# Altium PCB wtc_spi.PcbDoc (part 2 of 2)
Units mm, origin at the board's own origin, x right, y up, seen from the top; angles counter-clockwise.
Board outline 131 x 99 mm, 2 copper layers (Top Layer, Bottom Layer), stack 1.571 mm thick; 164 components, 102 nets, 483 pads, 227 vias.
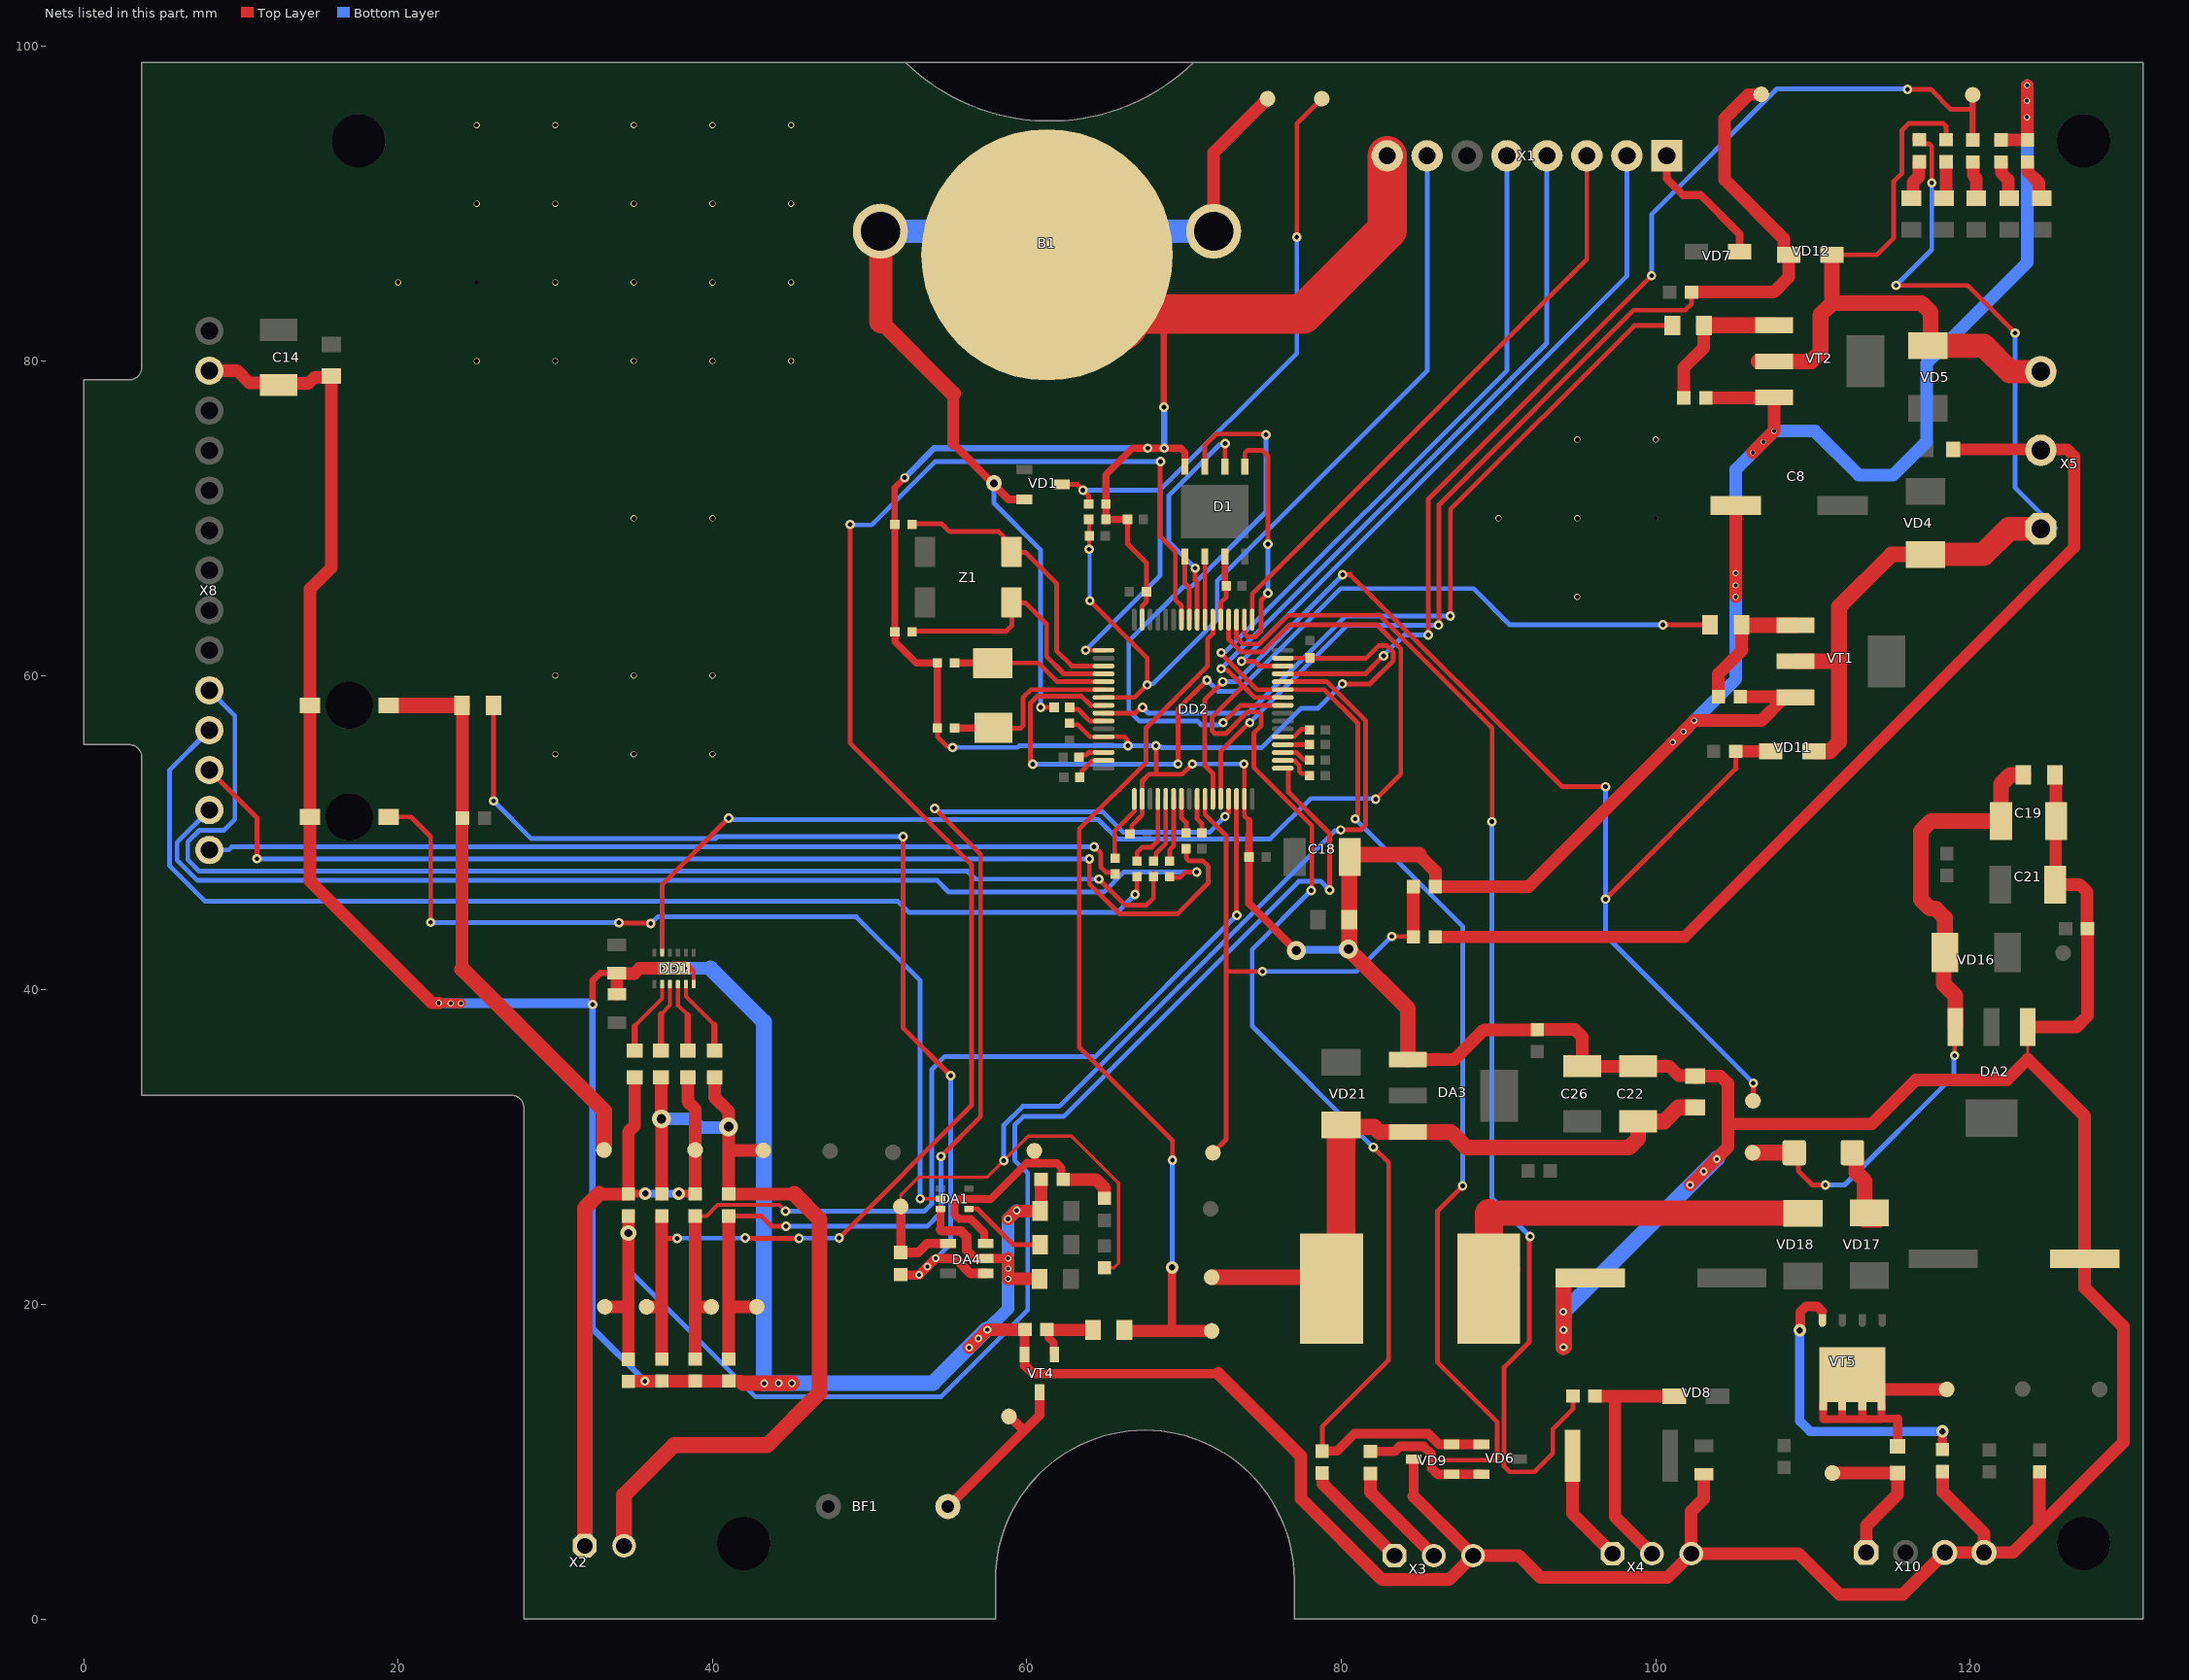
[diagram p2: the nets of this part, all layers, seen from the top]

## Via types
v1: diameter 0.6, hole 0.3, Top Layer to Bottom Layer, 123 vias
v2: diameter 0.4, hole 0.3, Top Layer to Bottom Layer, 33 vias
v3: diameter 0.4, hole 0.25, Top Layer to Bottom Layer, 15 vias
v4: diameter 0.5, hole 0.25, Top Layer to Bottom Layer, 13 vias
v5: diameter 1.2, hole 0.6, Top Layer to Bottom Layer, 12 vias
v6: diameter 0.35, hole 0.25, Top Layer to Bottom Layer, 7 vias
v7: diameter 1.5, hole 0.7, Top Layer to Bottom Layer, 6 vias
v8: diameter 0.5, hole 0.3, Top Layer to Bottom Layer, 5 vias
v9: diameter 0.8, hole 0.4, Top Layer to Bottom Layer, 5 vias
v10: diameter 1, hole 0.5, Top Layer to Bottom Layer, 3 vias
v11: diameter 0.3, hole 0.2, Top Layer to Bottom Layer, 3 vias
v12: diameter 0.3, hole 0.3, Top Layer to Bottom Layer, 2 vias

## Nets (pads, with @x,y where several pads share a name; then routed paths per layer and width w, separated by ;. In a path a pad name is that pad's centre, name@x,y a point inside that pad or via, vN(x,y) a via of type N, cw(c..) or ccw(c..) an arc to the next point about the centre after c; other vN are vias at no path point) (continued)
DRV_A_1_CNTR: DD2.29 R7.1 R8.2 TP2.0 | length 73.7
  Top Layer w0.2: v1(72.596,51.029) 72.825,51.257
  Top Layer w0.3: R7.1@41.025,25.625 43.075,25.625 43.725,24.975 v1(44.675,24.975) ; v1(54.125,51.55) 57.05,48.625 57.05,31.929 v1(54.534,29.413) ; 72.825,51.257 DD2.29@72.825,52.15
  Top Layer w0.8: R8.2@41.025,16.525 41.025,19.85 ; R7.1@41.025,25.625 41.025,19.85 ; TP2.0@42.81,19.85 41.025,19.85
  Bottom Layer w0.2: v1(44.675,24.975) v1@44.682,24.968
  Bottom Layer w0.3: v1@44.682,24.968 53.645,24.968 54.534,25.857 v1(54.534,29.413) ; v1(54.125,51.55) 54.206,51.55 54.431,51.325 64.825,51.325 66.125,50.025 71.593,50.025 v1(72.596,51.029)
DRV_A_2_CNTR: DD2.30 R9.1 R10.2 TP3.0 | length 65.2
  Top Layer w0.25: R9.1@38.9,25.625 39.625,25.625 40.326,26.326 44.249,26.326 v1(44.65,25.925)
  Top Layer w0.3: DD2.30@73.325,52.15 73.325,44.775 v1(73.35,44.75)
  Top Layer w0.8: R10.2@38.9,16.525 38.9,19.85 ; R9.1@38.9,25.625 38.9,19.85 ; TP3.0@39.93,19.85 38.9,19.85
  Bottom Layer w0.3: v1(44.65,25.925) 53.459,25.925 53.95,26.416 53.95,34.95 54.762,35.763 64.363,35.763 v1(73.35,44.75)
DRV_B_1_CNTR: DD2.33 R11.1 R12.2 TP8.0 | length 91.9
  Top Layer w0.2: DD2.33@76.275,54.1 DD2.33@76.632,54.1
  Top Layer w0.3: DD2.33@76.632,54.1 76.632,52.568 79.25,49.95 v1(79.25,46.35)
  Top Layer w0.8: TP8.0@33.154,19.85 34.65,19.85 ; R12.2@34.65,16.5 34.65,19.85 ; R11.1@34.65,25.625 v10(34.65,24.532) 34.65,19.85
  Bottom Layer w0.3: v10(34.65,24.532) 34.65,22.225 42.75,14.125 54.525,14.125 60.046,19.646 60.046,28.346 59.225,29.167 59.225,31.4 59.775,31.95 62.325,31.95 77.275,46.9 78.7,46.9 v1(79.25,46.35)
DRV_B_2_CNTR: DD2.58 R13.1 R14.2 TP9.0 | length 105.5
  Top Layer w0.3: 36.775,24.25 36.825,24.2 v1(37.75,24.2) ; v1(42.075,24.225) 42.1,24.2 v1(45.5,24.2) ; v1(48.05,24.225) 56.475,32.65 56.475,47.975 48.75,55.7 v1(48.75,69.6) ; v1(68.5,73.6) 68.475,73.575 68.475,68.825 69.44,67.86 69.44,64.825 69.825,64.44 DD2.58@69.825,63.55
  Top Layer w0.8: TP9.0@35.807,19.85 36.775,19.85 ; R14.2@36.775,16.525 36.775,19.85 ; R13.1@36.775,25.625 36.775,24.25 36.775,19.85
  Bottom Layer w0.2: v1(48.75,69.6) v1@48.775,69.575
  Bottom Layer w0.3: v1(37.75,24.2) 37.763,24.213 42.063,24.213 v1(42.075,24.225) ; v1(45.5,24.2) 45.513,24.213 48.038,24.213 v1(48.05,24.225) ; v1@48.775,69.575 50.125,69.575 54.15,73.6 v1(68.5,73.6)
DRV_MODE: DD1.11 DD2.52 | length 77.2
  Top Layer w0.3: DD1.11@36.8,42.375 36.8,46.7 v1(41.025,50.925) ; DD2.52@72.825,63.55 72.825,62.298 73.623,61.5 74.975,61.5 76.7,63.225 82.25,63.225 83.775,61.7 83.775,53.725 v1(82.175,52.125)
  Bottom Layer w0.3: v1(41.025,50.925) 41.082,50.868 41.295,50.868 41.327,50.835 64.515,50.835 65.75,49.6 75.475,49.6 78.05,52.175 82.125,52.175 v1(82.175,52.125)
GND: B1.2 C1.1 C2.1 C3.2 C4.1 C5.2 C6.1 C7.1 C8.2 C9.2 C10.1 C11.1 C12.1 C13.1 C14.2 C15.1 C16.1 C17.1 C18.2 C19.2 C20.1 C21.2 C22.2 C23.2 C24.1 C25.2 C26.2 C27.1 C28.1 C29.1 D1.4 DA1.3 DA2.1 DA3.1 DA4.2 DD1.6 DD1.13 DD2.12 DD2.18 DD2.31 DD2.47 DD2.63 R8.1 R10.1 R12.1 R14.1 R16.1 R26.1 R32.1 R33.1 R37.1 R42.1 R43.1 R53.1 R60.1 R61.1 VD9.3 VD10.2 VD14.2 VD15.2 VT1.3 VT2.3 VT3.2 VT4.3 X1.8 X3.3 X4.3 X8.13 X10.3 X10.4 | length 722.4
  Top Layer w0.2: R12.1@34.65,15.1 34.675,15.125 v1(35.7,15.125) ; DA3.1@84.225,35.575 DA3.1@84.607,35.575 ; VT1.3@108.175,58.65 108.175,58.6 VT1.3@108.334,58.6 ; 123.65,35.6 DA2.1@123.65,37.65 ; C20.1@125.375,53.67 C20.1@125.375,53.675
  Top Layer w0.25: v11(38.304,41.375) 38.654,41.375 38.8,41.229 DD1.6@38.8,40.375 ; DD2.47@76.275,61.1 DD2.47@76.285,61.11 ; C3.2@77.925,61.11 C3.2@78,61.125
  Top Layer w0.3: C27.1@54.3,56.65 54.324,56.626 54.324,56.076 54.918,55.482 55.218,55.482 v1(55.275,55.425) ; C9.2@62.7,56.975 62.806,56.869 63.231,56.869 64,56.1 DD2.12@64.875,56.1 66.188,56.1 66.368,55.92 66.368,55.582 v1(66.425,55.525) ; R33.1@66.4,69.925 66.4,68.35 67.6,67.15 C15.1@67.6,65.325 67.6,64.7 67.325,64.425 DD2.63@67.325,63.55 ; C10.1@66.483,49.983 66.564,49.983 66.656,50.075 66.656,50.456 67.325,51.125 DD2.18@67.325,52.15 67.325,53.275 67.775,53.725 68.218,53.725 ; v1(68.2,55.525) 68.218,55.507 68.218,53.725 ; v1(70.525,54.375) 69.875,53.725 68.218,53.725 ; v1(73.8,54.375) 73.825,54.35 DD2.31@73.825,52.15 73.825,51.075 74.125,50.775 ; DD2.47@76.285,61.11 C3.2@77.925,61.11 ; C3.2@77.925,61.1 81.575,61.1 82.375,61.9 82.875,61.9 83.3,61.475 83.3,60.95 81.811,59.461 v1(80.061,59.461)
  Top Layer w0.4: v1(32.375,39.075) 32.375,40.6 32.85,41.075 C1.1@33.9,41.075 ; C5.2@51.587,69.613 51.587,71.937 v1(52.225,72.575) ; B1.2@61.275,86.75 61.65,86.75 64.525,86.75 68.3,82.975 68.707,82.568 v1(68.707,77.064) ; 74.125,49.875 74.125,50.775
  Top Layer w0.45: C5.2@51.6,69.6 C6.1@51.6,62.775 51.615,62.76 51.615,62.135 52.95,60.8 C28.1@54.3,60.8 C27.1@54.3,56.65 ; C4.1@65.025,69.925 C7.1@65.025,70.9 65.025,72.775 66.7,74.45 v1(67.684,74.45) v1(68.725,74.45) 69.781,74.45 70.045,74.186 D1.4@70.045,73.285 ; C4.1@65.05,69.839 65.136,69.925 R33.1@66.4,69.925
  Top Layer w0.5: 54.5,24.75 DA1.3@54.5,26.075 ; 74.125,49.875 74.125,45.5 v5(77.125,42.5)
  Top Layer w0.6: v3(22.594,39.169) 23.331,39.169 v3(23.35,39.15) v3(24,39.15) ; 54.5,24.75 54.575,24.675 55.8,24.675 56.175,24.3 56.175,23.425 56.675,22.925 DA4.2@57.375,22.925 v3(58.8,22.925) ; R53.1@59.85,18.388 VT4.3@59.85,16.825 59.85,16.125 60.375,15.6 72.175,15.6 ; C16.1@60.8,21.625 60.8,21.75 C16.1@61,21.95 ; 84.6,7.8 VD9.3@84.6,10.15
  Top Layer w0.8: X8.13@8,79.38 9.77,79.38 10.539,78.611 12.214,78.611 C14.2@12.4,78.425 ; C14.2@12.4,78.475 12.499,78.574 14.299,78.574 14.675,78.95 C17.1@15.75,78.95 ; VT3.2@14.4,58.075 VD10.2@14.4,51 14.4,46.925 22.156,39.169 v3(22.594,39.169) ; VT3.2@14.4,58.1 14.4,65.5 15.75,66.85 C17.1@15.75,78.95 ; C17.1@15.75,79.05 C17.1@15.75,78.95 ; C17.1@15.95,79.025 15.875,78.95 C17.1@15.75,78.95 ; C2.1@33.925,39.725 C1.1@33.925,41.05 ; C1.1@33.925,41.075 34.334,41.075 34.359,41.05 35.025,41.05 35.35,41.375 v11(36.8,41.375) v11(37.55,41.375) ; R12.1@34.675,15.125 R14.1@36.775,15.125 R10.1@38.9,15.125 R8.1@41.025,15.125 41.843,15.125 41.952,15.016 ; DD1.13@37.55,41.4 38.279,41.4 v11(38.304,41.375) ; v4(56.333,17.25) v4(56.908,17.825) v4(57.483,18.4) 59.85,18.4 R53.1@59.85,18.388 ; v3(58.8,22.925) v3(58.8,22.275) v3(58.8,21.625) C16.1@60.8,21.625 ; v8(58.8,25.425) 59.314,25.939 60.725,25.939 60.736,25.95 C12.1@60.825,25.95 60.9,26.025 R26.1@60.9,27.95 ; 72.175,15.6 77.425,10.35 77.425,7.65 82.575,2.5 86.85,2.5 X3.3@88.375,4.025 ; 84.6,7.8 X3.3@88.375,4.025 ; DA3.1@84.607,35.575 87.175,35.575 89.067,37.467 R61.1@92.45,37.467 ; 84.925,48.6 85.975,47.55 R16.1@85.975,46.575 91.9,46.575 v3(101.075,55.75) v3(101.75,56.425) 101.75,56.45 v3(102.425,57.125) 106.7,57.125 108.075,58.5 108.234,58.5 108.334,58.6 VT1.3@108.875,58.6 ; R61.1@92.45,37.475 94.856,37.475 95.325,37.006 C26.2@95.325,35.15 C22.2@98.875,35.15 100.85,35.15 101.45,34.55 102.4,34.55 102.463,34.488 C24.1@102.525,34.425 ; v4(102.175,27.6) 104.575,30 104.575,31.475 ; C24.1@102.5,34.525 104.106,34.525 104.575,34.056 104.575,31.475 ; C11.1@103.05,9.2 103.05,7.65 102.25,6.85 X4.3@102.25,4.15 ; R43.1@103.175,77.65 103.188,77.662 107.55,77.662 107.513,77.625 v6(107.513,75.538) v6(106.831,74.856) v6(106.15,74.175) v6@106.15,74.15 ; v3(105.075,65) v3(105.075,65.725) v3(105.075,66.5) C8.2@105.075,70.8 ; R42.1@105.375,58.65 VT1.3@108.175,58.65 ; R37.1@118.225,9.375 118.25,9.35 118.25,8.075 120.873,5.452 120.873,4.227 X10.4@120.875,4.225 ; VD14.2@121.925,94.05 VD14.2@121.95,94.05 VD15.2@123.625,94.05 123.612,94.062 v3(123.612,97.525) ; DA2.1@123.65,37.65 126.75,37.65 127.45,38.35 R60.1@127.45,43.9 127.425,43.925 127.425,46.231 126.956,46.7 C21.2@125.4,46.7 125.425,46.725 125.425,50.725 C19.2@125.45,50.75 125.45,53.6 C20.1@125.375,53.675 ; R32.1@124.4,9.35 124.4,5.9 ; X3.3@88.375,4.025 91.275,4.025 92.675,2.625 100.725,2.625 X4.3@102.25,4.15 ; X4.3@102.25,4.15 109.075,4.15 111.675,1.55 115.7,1.55 X10.3@118.375,4.225 X10.4@120.875,4.225 ; 104.575,31.475 113.725,31.475 116.525,34.275 122.325,34.275 123.65,35.6 127.275,31.975 C25.2@127.275,22.9 127.275,21.05 129.725,18.6 129.725,11.225 124.4,5.9 ; X10.4@120.875,4.225 122.725,4.225 124.4,5.9
  Top Layer w1: 41.974,14.994 v8@43.269,14.994 ; v8@43.3,15 v8(44.2,15) v8(45.05,15) ; C29.1@80.5,44.45 C18.2@80.5,48.9 ; C29.1@80.5,44.475 80.5,42.704 80.45,42.654 v5(80.45,42.6) 84.225,38.825 DA3.1@84.225,35.575 ; C18.2@80.525,48.45 80.675,48.6 84.925,48.6 ; v4(94.125,17.275) v4(94.125,18.375) ; v4(94.125,18.375) 94.125,19.525 94.125,21.575 94.225,21.675 C23.2@95.825,21.675
  Top Layer w2.5: B1.2@65.425,82.975 68.3,82.975 77.55,82.975 82.91,88.335 X1.8@82.91,93.05
  Top Layer w5: B1.2@61.65,86.75 B1.2@65.425,82.975
  Bottom Layer w0.2: v1(68.707,77.064) v1@68.716,77.055 ; v1@68.716,74.459 v1(68.725,74.45)
  Bottom Layer w0.3: v1(55.275,55.425) 59.4,55.425 59.5,55.525 v1(66.425,55.525) v1(68.2,55.525) 68.257,55.468 68.52,55.468 68.587,55.4 74.907,55.4 77.408,57.901 78.5,57.901 v1(80.061,59.461) ; v1(70.525,54.375) v1(73.8,54.375)
  Bottom Layer w0.4: v1(32.375,39.075) 32.375,18.45 v1(35.7,15.125) ; v1(52.225,72.575) 54.1,74.45 v1(67.684,74.45) ; v1@68.716,74.459 v1@68.716,77.055
  Bottom Layer w0.5: v5(77.125,42.5) 77.175,42.55 80.4,42.55 v5(80.45,42.6)
  Bottom Layer w0.6: v3(22.594,39.169) 22.613,39.15 v3(24,39.15) 32.3,39.15 v1(32.375,39.075)
  Bottom Layer w0.8: v11(38.304,41.375) 39.875,41.375 ; v4(56.908,17.825) v4(57.483,18.4) 58.8,19.717 v3(58.8,21.625) v3(58.8,22.925) v8(58.8,25.425) v8(59.352,25.977) ; v3(101.075,55.75) v3(101.75,56.425) 102.425,57.1 v3(102.425,57.125) ; v3@102.437,57.113 105.075,59.75 v3(105.075,65.725) v3(105.075,66.5) 105.075,73.1 v6(107.513,75.538) 110.106,75.538 112.894,72.75 115.1,72.75 117.228,74.878 117.228,79.878 123.612,86.262 v3(123.612,97.525)
  Bottom Layer w1: 39.875,41.375 43.275,37.975 v8@43.275,15 ; v8(43.275,14.975) v8@43.275,15 ; v4@57.456,18.427 54.029,15 v8(45.05,15) v8(44.2,15) v8@43.275,15 ; v4(94.125,17.275) v4(94.125,18.375) 94.125,19.525 v4@103.888,29.287
  other v2: 30,55 35,55 40,55 30,60 35,60 40,60 95,65 35,70 40,70 90,70 95,70 95,75 100,75 25,80 30,80 35,80 40,80 45,80 20,85 30,85 35,85 40,85 45,85 25,90 30,90 35,90 40,90 45,90 25,95 30,95 35,95 40,95 45,95
  other v3: 123.6,95.5 123.6,96.55
  other v4: 94.1,19.525 103.05,28.45 103.875,29.25
  other v12: 100,70 25,85
MEM_RST: D1.7 DD2.53 R62.1 | length 4.2
  Top Layer w0.3: DD2.53@72.325,63.55 72.325,64.625 72.675,64.975 R62.1@72.675,65.7
  Top Layer w0.4: D1.7@72.585,67.565 72.585,65.79 R62.1@72.675,65.7
METER_INP: DD2.51 R46.1 | length 77.9
  Top Layer w0.2: v1(89.575,50.7) v1@89.586,50.711 ; v1@91.95,24.275 v1(92,24.325)
  Top Layer w0.3: DD2.51@73.325,63.55 73.325,62.4 73.725,62 74.775,62 76.6,63.825 82.425,63.825 89.586,56.664 v1@89.586,50.711 ; v1@91.95,24.275 91.95,17.604 90.35,16.004 90.35,9.7 90.7,9.35 92.275,9.35 93.45,10.525 93.45,12.075 94.725,13.35 R46.1@94.725,14.175
  Bottom Layer w0.3: v1(89.575,50.7) 89.575,26.75 v1(92,24.325)
NetBF1_2: BF1.2 TP13.0 VT4.2 | length 11
  Top Layer w0.6: BF1.2@55,7.15 60.8,12.95 VT4.2@60.8,14.425 ; TP13.0@58.85,12.875 58.925,12.875 59.825,11.975
NetC5_1: C5.1 DD2.3 Z1.1 | length 18.7
  Top Layer w0.25: C5.1@52.7,69.6 C5.1@52.7,69.65 ; 58.5,68.85 58.5,68.375 Z1.1@59.025,67.85
  Top Layer w0.3: C5.1@52.7,69.65 54.575,69.65 55.075,69.15 58.2,69.15 58.5,68.85 ; Z1.1@59.04,67.835 59.904,67.835 61.875,65.863 61.875,61.575 62.85,60.6 DD2.3@64.875,60.6
NetC6_2: C6.2 DD2.4 Z1.2 | length 16.9
  Top Layer w0.25: C6.2@52.7,62.775 C6.2@52.7,62.825 ; Z1.2@59.025,64.65 Z1.2@59.054,64.621
  Top Layer w0.3: C6.2@52.7,62.825 58.7,62.825 59.054,63.179 59.054,64.621 59.904,64.621 61.25,63.275 61.25,61.2 62.35,60.1 DD2.4@64.875,60.1
NetC7_2: C7.2 DD2.1@64.875,61.6 TP1.0 VD1.2 | length 49.9
  Top Layer w0.3: VD1.2@62.225,72.15 63.2,72.15 63.925,71.425 C7.2@63.925,70.9 ; v1(63.729,61.6) DD2.1@64.875,61.6 ; v1(77.165,87.884) 77.165,95.09 TP1.0@78.75,96.675
  Bottom Layer w0.3: v1(63.562,71.788) 68.463,71.788 ; v1(63.729,61.6) 68.463,66.334 68.463,71.788 ; v1(77.165,87.884) 77.165,80.49 68.463,71.788
NetC19_1: C19.1 C20.2 DA2.2 L1.1 TP24.0 VD16.2 | length 43.2
  Top Layer w0.2: L1.1@108.8,29.65 L1.1@109.063,29.387
  Top Layer w0.3: L1.1@109.063,29.387 109.063,28.487 109.95,27.6 v1(110.775,27.6) ; v1(119,35.825) 119,37.6 DA2.2@119.05,37.65
  Top Layer w1: TP24.0@106.15,29.65 L1.1@108.8,29.65 ; DA2.2@119.05,37.65 119.05,39.575 119.025,39.6 119.025,39.65 118.3,40.375 118.3,42.3 VD16.2@118.375,42.375 118.375,44.589 117.789,45.175 117.436,45.175 116.85,45.761 116.85,50.1 117.5,50.75 C19.1@121.95,50.75 121.95,53.089 122.536,53.675 C20.2@123.375,53.675
  Bottom Layer w0.3: v1(110.775,27.6) 112,27.6 118.943,34.543 118.943,35.768 v1(119,35.825)
NetC22_1: C22.1 C24.2 DA3.2 L2.1 TP26.0 VD21.2 | length 43.4
  Top Layer w0.5: C22.1@98.875,31.65 C22.1@98.893,31.632
  Top Layer w1: TP26.0@71.75,21.725 78.65,21.725 L2.1@79.375,21 ; VD21.2@79.975,31.4 80.086,31.289 82.086,31.289 82.4,30.975 DA3.2@84.225,30.975 86.95,30.975 87.95,29.975 98.289,29.975 98.875,30.561 C22.1@98.875,31.65 ; C22.1@98.893,31.632 100.532,31.632 101.425,32.525 C24.2@102.5,32.525
  Top Layer w1.8: L2.1@79.375,21 79.975,21.6 VD21.2@79.975,31.4
NetC27_2: C27.2 DD2.6 Z2.1 | length 11.5
  Top Layer w0.25: Z2.1@57.875,56.675 Z2.1@57.904,56.675
  Top Layer w0.3: Z2.1@58.329,56.65 59.604,56.65 59.75,56.796 59.75,58.6 60.25,59.1 DD2.6@64.875,59.1
  Top Layer w0.45: C27.2@55.4,56.65 57.875,56.65 Z2.1@58.3,56.65
NetC28_2: C28.2 DD2.5 Z2.3 | length 10
  Top Layer w0.3: Z2.3@58.2,60.8 60.725,60.8 61.925,59.6 DD2.5@64.875,59.6
  Top Layer w0.45: C28.2@55.4,60.8 56.844,60.8 Z2.3@58.2,60.8
NetD1_1: D1.1@73.855,73.285 DD2.50 | length 16
  Top Layer w0.3: DD2.50@73.825,63.55 73.825,62.675 74.05,62.45 74.5,62.45 74.9,62.85 74.9,64.8 v1(75.325,65.225) ; D1.1@73.855,73.285 73.855,74.149 74.031,74.325 74.95,74.325 75.325,73.95 v1(75.325,68.35)
  Bottom Layer w0.3: v1(75.325,65.225) v1(75.325,68.35)
NetD1_2: D1.2 DD2.56 | length 15.1
  Top Layer w0.3: v1(70.7,66.825) 70.7,66.05 70.825,65.925 DD2.56@70.825,63.55 ; D1.2@72.585,73.285 72.592,73.292 72.592,74.742 v1(72.6,74.75)
  Bottom Layer w0.3: v1(70.7,66.825) 69.025,68.5 69.025,71.45 70.646,73.071 72.268,74.693 72.543,74.693 v1(72.6,74.75)
NetD1_3: D1.3 DD2.41 | length 37.7
  Top Layer w0.3: D1.3@71.315,73.285 71.315,74.64 72.025,75.35 75.15,75.35 v1(75.2,75.3) ; v1(72.475,57) 73.575,58.1 DD2.41@76.275,58.1
  Bottom Layer w0.3: v1(72.475,57) 72.394,57 72.251,56.857 71.093,56.857 70.85,57.1 67.15,57.1 66.475,57.775 66.475,62.175 69.95,65.65 70.45,65.65 75.2,70.4 v1(75.2,75.3)
NetD1_5: D1.5 DD2.57 | length 4.2
  Top Layer w0.25: D1.5@70.045,67.565 D1.5@70.045,67.6
  Top Layer w0.3: D1.5@70.045,67.565 70.045,65.855 70.325,65.575 DD2.57@70.325,63.55
NetD1_6: D1.6 DD2.55 | length 4.1
  Top Layer w0.3: DD2.55@71.325,63.55 D1.6@71.325,67.625
NetDA1_2: DA1.2 VD10.1 | length 56.8
  Top Layer w0.2: v1(53.213,26.725) DA1.2@54.5,26.725
  Top Layer w0.3: VD10.1@19.4,51 20.825,51 22.075,49.75 v1(22.075,44.3) ; v1(34.05,44.275) 34.075,44.25 36.05,44.25 v1(36.075,44.225)
  Bottom Layer w0.3: v1(22.075,44.3) 22.087,44.288 34.037,44.288 v1(34.05,44.275) ; v1(36.075,44.225) 36.5,44.65 49.15,44.65 53.213,40.587 v1(53.213,26.725)
NetDA1_4: DA1.4 R49.1 | length 5.5
  Top Layer w0.3: DA1.4@56.3,26.075 56.85,26.075 59.125,23.8 R49.1@60.825,23.8
NetDA4_1: DA4.1 R20.1 R22.2 | length 69.3
  Top Layer w0.3: v1(26.075,52.019) R22.2@26.075,58.1 ; v1(52.125,49.75) 52.125,37.575 v1(55.15,34.55)
  Top Layer w0.6: R20.1@52,21.875 v4(53.15,21.875) v4(53.675,22.4) v4(54.2,22.925) 55.45,22.925 56.4,21.975 DA4.1@57.375,21.975
  Bottom Layer w0.2: 55.067,23.792 55.15,23.875
  Bottom Layer w0.3: v1(26.075,52.019) 28.469,49.625 40.194,49.625 40.319,49.75 v1(52.125,49.75) ; v4(53.15,21.875) v4(53.675,22.4) v4(54.2,22.925) 55.067,23.792 ; 55.15,23.875 v1(55.15,34.55)
NetDA4_3: DA4.3 R19.1 R26.2 TP15.0 | length 16.8
  Top Layer w0.5: DA4.3@57.375,23.875 57.325,23.875 57.275,23.925 57.275,24.575 56.425,25.425 55.693,25.425 55.4,25.718 55.4,26.407 55.693,26.7 57.7,26.7 59.975,28.975 59.987,28.975 60.5,28.975 ; TP15.0@60.475,29.775 60.5,29.75 60.5,28.975 ; R26.2@62.375,27.95 62.2,28.125 62.2,28.418 62.2,28.682 61.907,28.975 60.5,28.975
  Top Layer w0.8: R26.2@62.375,27.95 64.381,27.95 64.9,27.431 64.9,26.775 R19.1@64.925,26.75
NetDD1_2: DD1.2 FU1.1 | length 5
  Top Layer w0.25: 35.05,37.7 36.8,39.45 DD1.2@36.8,40.375
  Top Layer w0.4: FU1.1@35.05,36.116 FU1.1@35.05,36.15 35.05,37.7
NetDD1_3: DD1.3 FU3.1 | length 4.5
  Top Layer w0.25: 36.725,38.45 37.3,39.025 DD1.3@37.3,40.375
  Top Layer w0.4: FU3.1@36.725,36.15 36.725,38.45
NetDD1_4: DD1.4 FU2.1 | length 4.5
  Top Layer w0.25: DD1.4@37.8,40.375 37.8,39.025 38.425,38.4
  Top Layer w0.4: FU2.1@38.425,36.15 38.425,38.4
NetDD1_5: DD1.5 FU4.1 | length 5
  Top Layer w0.25: DD1.5@38.3,40.375 38.3,39.6 40.125,37.775
  Top Layer w0.4: FU4.1@40.125,36.15 40.125,37.775
NetDD2_10: DD2.10 R35.2 | length 2.5
  Top Layer w0.25: DD2.10@64.865,57.11 DD2.10@64.875,57.1
  Top Layer w0.3: R35.2@62.725,57.975 62.843,57.857 63.243,57.857 64,57.1 DD2.10@64.865,57.1
NetDD2_14: DD2.14 R27.2 | length 1.7
  Top Layer w0.3: R27.2@63.3,54.8 63.45,54.95 63.623,54.95 63.626,54.953 63.778,54.953 63.925,55.1 DD2.14@64.875,55.1
NetDD2_15: DD2.15 R28.2 | length 2.1
  Top Layer w0.25: DD2.15@64.865,54.59 DD2.15@64.875,54.6
  Top Layer w0.3: R28.2@63.35,53.525 63.5,53.675 63.5,53.925 64.165,54.59 64.315,54.59 64.325,54.6 DD2.15@64.865,54.6
NetDD2_17: DD2.17 R30.2 | length 4.3
  Top Layer w0.3: R30.2@65.575,48.324 65.575,50.1 66.825,51.35 66.825,51.6 DD2.17@66.825,52.15
NetDD2_20: DD2.20 R31.2 | length 4.9
  Top Layer w0.3: R31.2@67,48.2 67,48.75 67.331,49.081 67.931,49.081 68.325,49.475 DD2.20@68.325,52.15
NetDD2_21: DD2.21 R4.2 | length 4.3
  Top Layer w0.25: R4.2@68.05,48.2 R4.2@68.203,48.353
  Top Layer w0.3: R4.2@68.203,48.353 68.203,48.678 68.825,49.3 DD2.21@68.825,52.15
NetDD2_22: DD2.22 R5.2 | length 4.1
  Top Layer w0.3: R5.2@69.075,48.2 69.075,48.9 69.325,49.15 DD2.22@69.325,52.15
NetDD2_23: DD2.23 R6.2 | length 2.3
  Top Layer w0.3: DD2.23@69.825,52.15 69.825,50.95 70.125,50.65 R6.2@70.125,49.975
NetDD2_25: DD2.25 R38.2 | length 2.3
  Top Layer w0.3: DD2.25@70.825,52.15 70.825,50.875 71.125,50.575 R38.2@71.125,49.975
NetDD2_34: DD2.34 R23.2 | length 2.3
  Top Layer w0.25: DD2.34@76.275,54.6 DD2.34@76.285,54.59 ; R23.2@77.851,53.749 R23.2@77.975,53.625
  Top Layer w0.3: DD2.34@76.285,54.59 77.014,54.59 77.322,54.282 77.322,53.895 77.469,53.749 R23.2@77.851,53.749
NetDD2_35: DD2.35 R24.2 | length 1.9
  Top Layer w0.25: DD2.35@76.275,55.1 DD2.35@76.285,55.09
  Top Layer w0.3: DD2.35@76.285,55.09 77.16,55.09 77.625,54.625 R24.2@77.975,54.625
NetDD2_36: DD2.36 R25.2 | length 1.7
  Top Layer w0.3: DD2.36@76.275,55.6 R25.2@77.975,55.6
NetDD2_37: DD2.37 R39.2 | length 1.9
  Top Layer w0.25: DD2.37@76.275,56.1 76.285,56.11 76.985,56.11 ; R39.2@77.929,56.571 R39.2@77.975,56.525
  Top Layer w0.3: 76.985,56.11 77.446,56.571 R39.2@77.929,56.571
NetFU1_2: FU1.2 FU2.2 R9.2 R11.2 TP4.0 X2.1 | length 43.8
  Top Layer w0.5: R11.2@34.65,27.025 34.663,27.037 35.712,27.037 v9(35.725,27.05) ; v9(37.85,27.05) 37.863,27.037 38.862,27.037 R9.2@38.875,27.05
  Top Layer w0.8: 32.775,27.025 R11.2@34.65,27.025 34.65,30.975 35.05,31.375 FU1.2@35.05,34.45 ; FU2.2@38.425,34.45 38.425,32.9 38.9,32.425 TP4.0@38.9,29.825 R9.2@38.9,27.325
  Top Layer w1: X2.1@31.875,4.65 31.875,26.125 32.775,27.025
  Bottom Layer w0.5: v9(35.725,27.05) v9(37.85,27.05)
NetFU3_2: FU3.2 FU4.2 R7.2 R13.2 TP5.0 X2.2 | length 57.9
  Top Layer w0.4: FU3.2@36.725,34.45 FU3.2@36.75,34.475 ; FU4.2@40.125,34.45 FU4.2@40.15,34.475
  Top Layer w0.8: R13.2@36.775,27.025 36.762,27.037 36.762,31.788 v5(36.75,31.8) 36.737,31.813 36.737,34.4 FU3.2@36.775,34.4 ; FU4.2@40.125,34.45 40.125,33.175 41.025,32.275 41.025,29.8 ; TP5.0@43.225,29.8 41.025,29.8 ; 45.2,27.025 R7.2@41.025,27.025 41.025,29.8
  Top Layer w1: X2.2@34.375,4.65 34.375,7.875 37.55,11.05 43.475,11.05 46.8,14.375 46.8,25.425 45.2,27.025
  Bottom Layer w0.8: v5(36.75,31.8) 38.7,31.8 39.25,31.25 40.975,31.25 v5(41.025,31.3)
NetFU5_2: FU5.2 R15.2 X5.2 | length 64.6
  Top Layer w0.75: R15.2@85.975,43.375 101.825,43.375 126.6,68.15 126.6,73.936 126.161,74.375 FU5.2@118.9,74.375
NetFU6_1: FU6.1 TP20.0 X10.1 | length 10
  Top Layer w0.8: TP20.0@111.225,9.275 FU6.1@115.375,9.275 115.375,7.925 113.375,5.925 X10.1@113.375,4.225
NetFU6_2: FU6.2 TP21.0 VT5.2 | length 18.2
  Top Layer w0.2: VT5.2@111.855,13.675 111.855,15.525 VT5.2@112.49,15.525 ; VT5.2@114.175,14.6 114.345,14.6 VT5.2@114.345,13.675
  Top Layer w0.5: VT5.2@110.635,13.675 110.635,12.7 114.315,12.7 114.345,12.73 ; 111.855,12.725 VT5.2@111.855,13.675 ; 113.125,12.725 VT5.2@113.125,13.675 ; VT5.2@114.345,13.675 114.345,12.73 ; 115.375,12.73 114.345,12.73
  Top Layer w0.6: FU6.2@115.375,10.975 115.375,12.73
  Top Layer w0.8: VT5.2@114.175,14.6 TP21.0@118.5,14.6
NetL1_2: L1.2 VD17.2 | length 7.5
  Top Layer w0.2: VD17.2@113.575,25.825 113.163,25.825 113.163,24.968 114.271,24.968 114.5,25.197 VD17.2@114.5,25.875
  Top Layer w1: L1.2@112.5,29.65 112.75,29.4 112.75,28.375 113.275,27.85 VD17.2@113.275,25.875
NetL2_2: L2.2 VD18.2 | length 27.3
  Top Layer w0.25: VD18.2@109.35,25.875 VD18.2@110.15,25.875
  Top Layer w1.5: L2.2@89.375,21 L2.2@90.625,22.25
  Top Layer w1.6: 89.375,25.8 VD18.2@109.35,25.8
  Top Layer w1.8: L2.2@89.375,21 89.375,25.8
NetR22_1: R22.1 R48.1 TP17.0 VT3.1 | length 36.7
  Top Layer w0.8: 24.075,41.325 R48.1@24.075,50.925 ; R22.1@24.075,58.1 24.1,58.075 R48.1@24.1,50.925
  Top Layer w1: VT3.1@19.4,58.1 R22.1@24.075,58.1 ; 24.075,41.325 33.1,32.3 TP17.0@33.1,29.825
NetR37_2: R37.2 VT5.1 | length 19.8
  Top Layer w0.5: VT5.1@110.585,18.875 VT5.1@110.585,19.075 110.585,19.549
  Top Layer w0.6: v9(109.15,18.35) 109.188,18.388 109.188,19.524 109.54,19.875 110.259,19.875 110.585,19.549 ; R37.2@118.225,10.775 v9(118.225,11.925)
  Bottom Layer w0.6: v9(109.15,18.35) 109.15,12.575 109.8,11.925 v9(118.225,11.925)
NetR40_1: R40.1 R42.2 VT1.1 | length 8.6
  Top Layer w0.8: R42.2@103.975,58.65 103.975,60.1 105.45,61.575 R40.1@105.45,63.2
  Top Layer w1: R40.1@105.45,63.2 VT1.1@108.875,63.2
NetR41_1: R41.1 R43.2 VT2.1 | length 9.7
  Top Layer w0.25: R41.1@103.025,82.225 R41.1@103.05,82.25
  Top Layer w0.6: R43.2@101.763,77.662 R43.2@101.775,77.65 ; R41.1@103.025,82.225 R41.1@103.05,82.2 ; R41.1@103.05,82.275 R41.1@103.05,82.25 R41.1@103.05,82.2 ; R41.1@103.062,82.187 R41.1@103.05,82.2
  Top Layer w0.8: R43.2@101.763,77.662 101.763,79.563 103.05,80.85 R41.1@103.05,82.2
  Top Layer w1: R41.1@103.05,82.275 VT2.1@107.525,82.275
NetR44_1: R44.1 VD2.1 | length 2.5
  Top Layer w0.8: R44.1@116.25,90.35 116.35,90.45 116.35,91.35 116.725,91.725 116.725,92.65 VD2.1@116.75,92.675
NetR45_1: R45.1 VD3.1 | length 2.4
  Top Layer w0.8: R45.1@118.325,90.35 118.35,90.35 118.45,90.45 VD3.1@118.45,92.675
NetR46_2: R46.2 VD8.1 X4.2 | length 16
  Top Layer w0.8: R46.2@96.125,14.175 96.138,14.162 97.4,14.162 ; X4.2@99.75,4.15 97.4,6.5 97.4,14.162 ; VD8.1@101.175,14.15 101.163,14.162 97.4,14.162
NetR47_2: R47.2 X4.1 | length 7.3
  Top Layer w0.8: R47.2@94.7,10.375 94.7,6.7 X4.1@97.25,4.15
NetR50_1: R50.1 VD13.1 | length 2.4
  Top Layer w0.8: VD13.1@120.15,92.65 120.175,92.625 120.175,91.825 120.375,91.625 R50.1@120.375,90.35
NetR51_1: R51.1 VD14.1 | length 2.5
  Top Layer w0.8: VD14.1@121.95,92.65 121.975,92.625 121.975,91.95 122.414,91.511 122.414,90.411 R51.1@122.475,90.35
NetR52_1: R52.1 R53.2 VT4.1 | length 4.7
  Top Layer w0.5: R53.2@61.35,18.4 61.35,18.375 61.35,17.9 61.7,17.55 61.7,16.875 VT4.1@61.75,16.825
  Top Layer w0.8: R53.2@61.275,18.4 61.3,18.375 61.35,18.375 R52.1@64.2,18.375
NetR54_1: R54.1 VD15.1 | length 2.8
  Top Layer w0.8: VD15.1@123.625,92.65 123.65,92.625 123.65,92.05 124.351,91.349 124.351,90.425 124.451,90.325 R54.1@124.55,90.325
NetR57_1: R57.1 X3.1 | length 7.2
  Top Layer w0.8: R57.1@78.775,9.275 78.8,9.25 78.8,8.6 X3.1@83.375,4.025
NetR59_1: R59.1 X3.2 | length 6.9
  Top Layer w0.8: R59.1@81.85,9.25 81.85,8.05 X3.2@85.875,4.025
NetVD2_2: VD2.2 VD4.1 VD11.2 VT1.2 X5.1 | length 61.2
  Top Layer w0.3: v1(115.275,84.8) 119.825,84.8 v1(122.85,81.775) ; VD2.2@116.75,94.075 117.012,93.813 117.374,93.813 117.55,93.637 v1(117.55,91.325)
  Top Layer w0.8: VD2.2@116.7,94.125 VD2.2@116.75,94.075
  Top Layer w1: VT1.2@108.875,60.9 111.639,60.9 ; VD11.2@110.05,55.175 111.053,55.175 111.639,55.761 111.639,60.9 ; VD4.1@117.15,67.7 114.975,67.7 111.639,64.364 111.639,60.9
  Top Layer w1.5: VD4.1@117.15,67.7 120.825,67.7 122.45,69.325 X5.1@124.484,69.325
  Bottom Layer w0.3: v1(115.275,84.8) 117.55,87.075 v1(117.55,91.325) ; v1(122.85,81.775) 122.85,71.925 X5.1@125.4,69.375
NetVD3_2: VD3.2 VD5.1 VD12.2 VT2.2 X5.3 | length 43.5
  Top Layer w0.2: X5.3@124.484,79.325 125.35,79.325 X5.3@125.4,79.375
  Top Layer w0.3: VD12.2@111.2,86.75 114.05,86.75 115.125,87.825 115.125,91.425 115.65,91.95 115.65,94.675 116.075,95.1 118.274,95.1 118.45,94.924 VD3.2@118.45,94.075
  Top Layer w1: VT2.2@106.532,79.975 VT2.2@107.525,79.975 109.889,79.975 110.475,80.561 110.475,82.95 111.2,83.675 ; VD12.2@111.2,86.75 111.2,83.675 ; VD5.1@117.3,80.975 117.475,81.15 117.475,83.089 116.889,83.675 111.2,83.675
  Top Layer w1.5: VD5.1@117.3,80.975 120.85,80.975 122.5,79.325 X5.3@124.484,79.325
NetVD7_1: VD7.1 X1.1 | length 8.7
  Top Layer w0.5: X1.1@100.69,93.05 100.69,91.585 101.724,90.551 102.849,90.551 105.325,88.075 VD7.1@105.325,86.95
NRST: C4.2 DD2.7 R34.2 X1.7 | length 56.4
  Top Layer w0.25: C4.2@63.925,69.925 63.95,69.9 63.95,68.9 R34.2@63.975,68.875 63.962,68.863 63.962,68.037 v1(63.95,68.025)
  Top Layer w0.3: v1(64,64.75) 67.65,61.1 v1(67.65,59.4) 66.85,58.6 DD2.7@64.875,58.6
  Bottom Layer w0.25: v1(63.95,68.025) 63.975,68 63.975,64.775 v1(64,64.75) ; v1(67.65,59.4) v1@67.717,59.467
  Bottom Layer w0.3: v1@67.717,59.467 68.017,59.467 72.1,63.55 72.1,66.025 85.45,79.375 X1.7@85.45,93.05
OBST: DA4.4 DD2.44 R20.2 R21.1 TP16.0 | length 75.6
  Top Layer w0.2: TP16.0@51.975,26.225 51.975,26.956 53.119,28.1 57.475,28.1 v1(58.525,29.15) 60.075,30.7 62.825,30.7 65.825,27.7 65.825,22.625 65.533,22.333 64.933,22.333 R21.1@64.925,22.325
  Top Layer w0.3: DD2.44@76.275,59.6 79.075,59.6 81.525,57.15 81.525,50.475 81.225,50.175 v1(79.95,50.175)
  Top Layer w0.6: R20.2@51.975,23.3 53.075,23.3 53.65,23.875 DA4.4@54.975,23.875 ; R20.2@51.975,23.425 TP16.0@51.975,26.225
  Bottom Layer w0.2: v1@79.888,50.113 v1(79.95,50.175)
  Bottom Layer w0.3: v1(58.525,29.15) 58.525,31.4 59.725,32.6 62.05,32.6 79.563,50.113 v1@79.888,50.113
RELAY_1_CNTR: DD2.27 R17.1 TP11.0 VD11.1 | length 79.8
  Top Layer w0.2: TP11.0@106.175,32.95 TP11.0@106.2,32.975
  Top Layer w0.3: DD2.27@71.825,52.15 71.825,53.77 71.3,54.295 71.3,58.45 v1(72.45,59.6) ; v1(80.075,66.4) 80.575,66.4 94.05,52.925 v1(96.8,52.925) ; v1(96.8,45.775) 105.075,54.05 R17.1@105.075,55.175 ; TP11.0@106.2,32.975 v1(106.2,34.075)
  Top Layer w0.8: R17.1@105.075,55.175 VD11.1@107.3,55.175
  Bottom Layer w0.3: v1(72.45,59.6) 73.3,59.6 80.075,66.375 v1(80.075,66.4) ; v1(96.8,52.925) 96.8,43.475 v1(106.2,34.075)
RELAY_1_ON: DD2.8 R40.2 | length 60.3
  Top Layer w0.3: v1(60.375,54.35) 60.375,54.431 60.225,54.581 60.225,58.25 60.65,58.675 63.475,58.675 64.05,58.1 DD2.8@64.875,58.1 ; v1(69.6,54.375) 69.6,57.85 v1(71.45,59.7) ; v1(100.45,63.225) R40.2@103.45,63.225
  Bottom Layer w0.3: v1(60.375,54.35) 60.387,54.362 69.588,54.362 v1(69.6,54.375) ; v1(71.45,59.7) 72.15,59 73.425,59 79.95,65.525 88.4,65.525 90.7,63.225 v1(100.45,63.225)
RELAY_2_CNTR: DD2.28 R18.1 TP12.0 VD12.1 | length 71.4
  Top Layer w0.3: DD2.28@72.325,52.15 72.325,55.18 74.145,57 v1(74.175,57) ; v1(86.175,63.2) 86.2,63.225 86.2,70.85 98.575,83.225 101.858,83.225 102.275,83.642 R18.1@102.275,84.375
  Top Layer w0.8: R18.1@102.275,84.375 107.5,84.375 108.45,85.325 VD12.1@108.45,86.75 108.227,86.75 108.126,86.85 108.126,87.774 104.375,91.525 104.375,95.425 105.898,96.948 106.698,96.948 TP12.0@106.7,96.95
  Bottom Layer w0.3: v1(74.175,57) 80.375,63.2 v1(86.175,63.2)
RELAY_2_ON: DD2.9 R41.2 | length 50.7
  Top Layer w0.2: v1@67.252,57.975 v1(67.35,57.975)
  Top Layer w0.3: DD2.9@64.875,57.6 66.876,57.6 v1@67.252,57.975 ; v1(86.925,63.775) 86.925,70.55 98.625,82.25 R41.2@101.05,82.25
  Bottom Layer w0.3: v1(67.35,57.975) 67.725,57.6 74.075,57.6 80.25,63.775 v1(86.925,63.775)
RELAY_PWR_CNTR: DD2.26 R15.1 R16.2 TP10.0 | length 39.4
  Top Layer w0.2: R15.1@84.55,43.4 R15.1@84.575,43.375
  Top Layer w0.3: DD2.26@71.325,52.15 71.325,51.15 72.667,49.808 72.667,41.175 ; TP10.0@71.825,29.65 72.667,30.492 72.667,41.175 ; v1(74.975,41.175) 72.667,41.175 ; v1(83.2,43.4) R15.1@84.55,43.4
  Top Layer w0.8: R15.1@84.575,43.375 R16.2@84.575,46.575
  Bottom Layer w0.3: v1(74.975,41.175) 80.975,41.175 v1(83.2,43.4)
RX: DD2.43 R59.2 VD6.3 VD9.1 X1.5 | length 115.1
  Top Layer w0.2: 85.225,10.719 85.725,10.719 85.877,10.566
  Top Layer w0.3: v1(72.35,61.45) 72.35,61.375 74.625,59.1 DD2.43@76.275,59.1 78.9,59.1 81.05,56.95 81.05,51.131 80.875,50.956 v1(80.875,50.875) ; 85.725,10.1 89.783,10.1 89.9,10.217 89.9,12.538 86.1,16.338 86.1,25.927 v1(87.706,27.534)
  Top Layer w0.6: R59.2@81.85,10.65 83.375,10.65 83.7,10.975 85.225,10.975 85.725,10.475 85.725,10.1 85.725,9.575 86.1,9.2 VD9.1@87,9.2 VD6.3@88.9,9.2
  Bottom Layer w0.3: v1(72.35,61.45) 72.407,61.507 72.632,61.507 90.53,79.405 X1.5@90.53,93.05 ; v1(80.875,50.875) 87.706,44.044 v1(87.706,27.534)
SOUND_ON: DD2.54 R52.2 TP14.0 | length 56.8
  Top Layer w0.3: v1(69.25,29.175) 69.25,30.425 63.325,36.35 63.325,50.225 67.575,54.475 67.575,56.675 71.476,60.576 71.476,62.306 71.825,62.656 DD2.54@71.825,63.55
  Top Layer w0.5: 69.225,18.314 v9(69.225,22.35)
  Top Layer w0.8: R52.2@66.2,18.375 66.261,18.314 69.225,18.314 TP14.0@71.75,18.314
  Bottom Layer w0.2: v9(69.225,22.35) v9@69.237,22.363 ; v1@69.237,29.162 v1(69.25,29.175)
  Bottom Layer w0.3: v9@69.237,22.363 v1@69.237,29.162
SWCLK: DD2.49 X1.3 | length 38.3
  Top Layer w0.3: DD2.49@74.325,63.55 74.325,65.175 95.61,86.46 X1.3@95.61,93.05
SWDIO: DD2.46 X1.2 | length 45
  Top Layer w0.3: v1(73.65,60.9) 74.475,60.9 74.775,60.6 DD2.46@76.275,60.6
  Bottom Layer w0.3: v1(73.65,60.9) 98.15,85.4 X1.2@98.15,93.05
T_CLK: R4.1 X8.5 | length 78.1
  Top Layer w0.2: R4.1@68.05,47.154 68.05,47.5
  Top Layer w0.3: v1(64.575,47.05) 66.225,45.4 67.6,45.4 68.05,45.85 R4.1@68.05,47.154
  Bottom Layer w0.2: X8.5@8,59.057 X8.5@8,59.06
  Bottom Layer w0.3: X8.5@8,59.057 9.625,57.432 9.625,50.85 8.925,50.15 7.351,50.15 6.625,49.424 6.625,48.275 7.35,47.55 56.225,47.55 56.725,47.05 v1(64.575,47.05)
T_CS: R31.1 X8.4 | length 74
  Top Layer w0.3: v1(66.875,46.075) 66.875,46.156 67,46.281 R31.1@67,47.2
  Bottom Layer w0.3: X8.4@8,56.52 5.475,53.995 5.475,47.89 7.715,45.65 51.775,45.65 52.5,44.925 65.725,44.925 v1(66.875,46.075)
T_IRQ: R30.1 X8.1 | length 58.9
  Top Layer w0.3: v1(64.275,49.1) 64.7,48.675 64.7,47.8 65.044,47.456 65.519,47.456 R30.1@65.6,47.375
  Bottom Layer w0.3: X8.1@8,48.9 9.225,48.9 9.425,49.1 v1(64.275,49.1)
T_MISO: R5.1 X8.2 | length 72.2
  Top Layer w0.3: R5.1@68.959,47.15 69.73,47.15 70.08,47.5 v1(70.792,47.5)
  Bottom Layer w0.3: X8.2@8,51.44 5.95,49.39 5.95,48.25 7.225,46.975 54.275,46.975 55.025,46.225 64.886,46.225 66.161,47.5 v1(70.792,47.5)
T_MOSI: R6.1 X8.3 | length 73.9
  Top Layer w0.3: X8.3@8,53.98 11.025,50.955 v1(11.025,48.35) ; v1(63.975,48.325) 63.975,46.744 65.869,44.85 69.581,44.85 71.526,46.795 71.526,47.874 71.199,48.201 70.301,48.201 70.125,48.377 R6.1@70.125,48.975
  Bottom Layer w0.3: v1(11.025,48.35) 11.037,48.338 63.963,48.338 v1(63.975,48.325)
TX: DD2.42 R57.2 VD6.1 VD9.2 X1.4 | length 119.7
  Top Layer w0.3: v1(72.35,60.425) 72.407,60.368 72.711,60.368 73.748,59.331 74.479,58.6 ; 73.727,59.31 71.775,57.358 71.775,56.476 71.951,56.3 72.65,56.3 74.025,57.675 74.724,57.675 74.9,57.499 74.9,56.8 74.422,56.322 74.422,54.153 78.125,50.45 78.125,46.375 v1(78.075,46.325) ; 74.509,58.6 DD2.42@76.275,58.6 ; R57.2@78.775,10.675 78.775,12.225 83,16.45 83,29.025 v1(82.025,30)
  Top Layer w0.6: R57.2@78.775,10.675 79.725,10.675 80.825,11.775 85.525,11.775 86.2,11.1 VD9.2@87,11.1 VD6.1@88.9,11.1
  Bottom Layer w0.3: v1(72.35,60.425) 93.07,81.145 X1.4@93.07,93.05 ; v1(78.075,46.325) 74.325,42.575 74.325,37.7 v1(82.025,30)
uC_LED: DD2.45 TP18.0 VD13.2 | length 70.1
  Top Layer w0.3: DD2.45@76.275,60.1 81.525,60.1 v1(82.675,61.25) ; v1(85.525,62.575) 85.525,71.225 99.731,85.431 v1@99.756,85.431 ; v1(116,97.275) 117.475,97.275 118.75,96 120.125,96 120.15,95.975
  Top Layer w0.4: VD13.2@120.15,94.05 120.15,95.975 TP18.0@120.15,96.925
  Bottom Layer w0.3: v1(82.675,61.25) 84,62.575 v1(85.525,62.575) ; v1(99.725,85.425) 99.725,89.325 107.7,97.3 115.975,97.3 v1(116,97.275)
Vbat: B1.1 R35.1 TP23.0 VD1.3 | length 68.7
  Top Layer w0.2: R35.1@61.525,57.975 R35.1@61.6,58.05
  Top Layer w0.3: v1(60.875,57.975) R35.1@61.525,57.975
  Top Layer w0.5: 55.3,74.75 57.825,72.225 v10(57.9,72.225) 57.9,72.125 58.825,71.2 VD1.3@59.825,71.2
  Top Layer w0.75: 55.3,74.75 55.3,77.925
  Top Layer w0.8: B1.1@71.875,88.25 71.875,93.25 TP23.0@75.3,96.675
  Top Layer w1: 50.7,82.525 55.3,77.925
  Top Layer w1.5: 50.7,82.525 B1.1@50.7,88.25
  Bottom Layer w0.3: v10(57.9,72.225) 57.9,70.95 60.875,67.975 v1(60.875,57.975)
  Bottom Layer w1.5: B1.1@50.675,88.25 B1.1@71.875,88.25
pads on no net: BF1. C8. C14. C18. C19. C21. C22. C26. D1.0 D1.1@74.95,73.925 D1.9 DA1.1 DA1.5 DA2. DA3. DA4. DD2. DD2.1@65.175,63.25 DD2.2 DD2.11 DD2.24 DD2.40 VD1. VD4. VD5. VD6. VD7. VD8. VD9. VD11. VD12. VD16. VD17. VD18. VD21. VT1. VT1.4 VT2. VT2.4 VT4. VT5.3@110.395,18.875 VT5.5 X2.23 X2.24 X3.28 X4.28 X5.11 X10. Z1.3

## Polygon pours and split planes (outlines as drawn)
GND on Bottom Layer "GND_L02_P001" (solid, pour order 1): 29,1 57,1 57,7 63,13 72,13 78,7 78,1 130,1 130,98 72,98 68,94 54,94 50,98 5,98 5,78 1,78 1,57 5,57 5,34 29,34
GND on Top Layer "GND_L01_P000" (solid, pour order 0): 29,1 57,1 57,7 63,13 72,13 78,7 78,1 130,1 130,98 72,98 68,94 54,94 50,98 5,98 5,78 1,78 1,57 5,57 5,34 29,34

## Silkscreen, mask and mechanical layers (free items; w line width, h text height)
Top Overlay:
  text "12V" at 125.075,95.275 h0.6 r90
  text "rel1" at 117.025,95.25 h0.6 r90
  text "rel2" at 118.675,95.25 h0.6 r90
  text "3,3V" at 122.2,95.25 h0.6 r90
  text "uC" at 120.4,95.2 h0.6 r90
  text "RX" at 90.92,94.805 h0.8 r90
  text "SWDIO" at 98.595,94.805 h0.8 r90
  text "RES" at 85.82,94.78 h0.8 r90
  text "TX" at 93.495,94.78 h0.8 r90
  text "SWCLK" at 96.045,94.755 h0.8 r90
  text "GND" at 83.295,94.73 h0.8 r90
  text "BOOT" at 88.37,94.73 h0.8 r90
  text "+3,3V" at 101.5,94.45 h0.8 r90
  text "RELAY" at 123.225,82.4 h0.6
  text "Engine" at 31.675,9.075 h0.6
  text "WCNT" at 91.975,6.225 h0.6
  text "PW" at 108.875,6.2 h0.6
  text "PC" at 79.1,6.025 h0.6
Bottom Overlay:
  circle w0.254: c16.9,54.55 r6